# Altium PCB radxa_cm4_io_v1.10.PcbDoc (part 2 of 8)
Units mil, origin at the board's own origin, x right, y up, seen from the top; angles counter-clockwise.
Board outline 6299.62 x 3544.12 mil, 4 copper layers (Top, GND, Power, Bottom), stack 35.4 mil thick; 509 components, 417 nets, 1867 pads, 2150 vias.
Unrouted connection lines stored in the file: 1451.
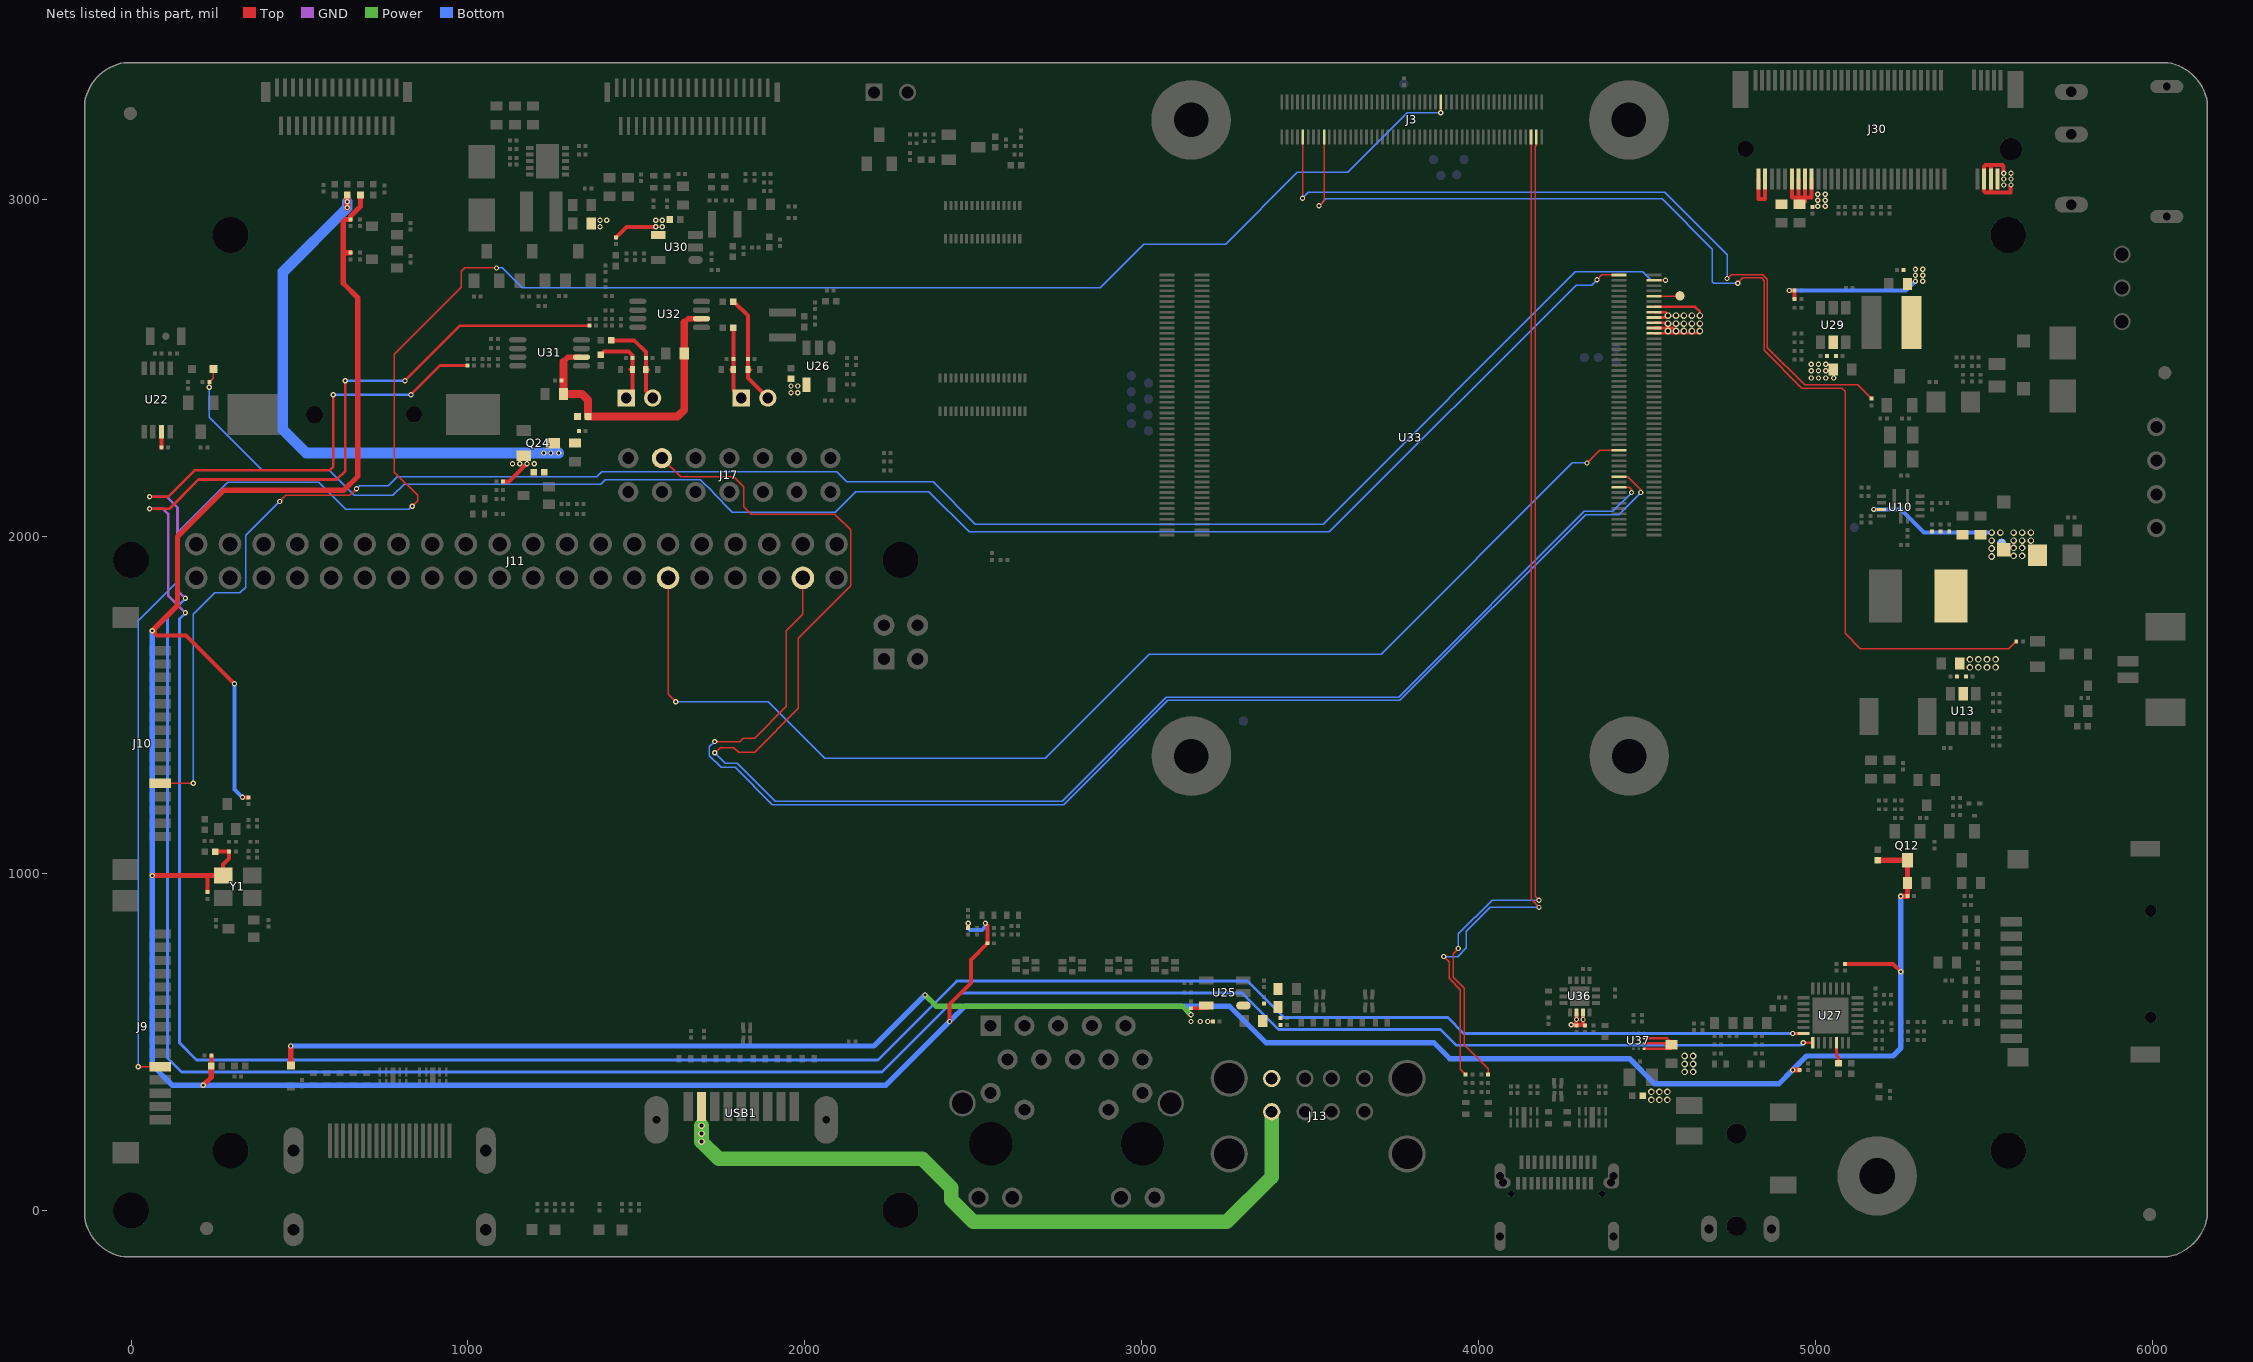
[diagram p4: the nets of this part, all layers, seen from the top]

## Footprints (in the part's own frame and the unit in brackets; to place one, negate y for a bottom-side part, rotate by r counter-clockwise, add the part's x,y. Pads: shape width x height; smd on the part's side, far side on the other; paste and mask are expansions set on the pad) (continued)
ESD_D0402 [mm]
  rect 0.4x0.55 smd: 1(-0.45,0) 2(0.45,0)
  Top region: 0.318,0.178 0.152,0.013 0.324,-0.159 0.324,0.165 0.318,0.165 0.318,0.178
  Top region: 0.368,0.279 0.095,0.006 0.375,-0.273 0.375,0.267 0.368,0.267 0.368,0.279
  Top region: -0.305,-0.165 -0.14,0 -0.311,0.171 -0.311,-0.152 -0.305,-0.152 -0.305,-0.165
  Top region: -0.356,-0.267 -0.083,0.006 -0.362,0.286 -0.362,-0.254 -0.356,-0.254 -0.356,-0.267
  Top lines w0.051: -0.495,-0.178 -0.305,-0.178 ; -0.495,0.191 -0.305,0.191 ; -0.457,-0.14 -0.267,-0.14 ; -0.457,0.152 -0.267,0.152 ; -0.432,0.114 -0.241,0.114 ; -0.419,-0.102 -0.229,-0.102 ; -0.406,0.089 -0.216,0.089 ; -0.394,-0.064 -0.203,-0.064 ; -0.381,0.064 -0.191,0.064 ; -0.356,-0.038 -0.165,-0.038 ; -0.343,0.038 -0.152,0.038 ; -0.33,-0.013 -0.14,-0.013 ; -0.318,0.013 -0.127,0.013 ; 0.14,0 0.33,0 ; 0.152,0.025 0.343,0.025 ; 0.165,-0.025 0.356,-0.025 ; 0.178,0.051 0.368,0.051 ; 0.203,-0.051 0.394,-0.051 ; 0.216,0.076 0.406,0.076 ; 0.229,-0.076 0.419,-0.076 ; 0.241,0.114 0.432,0.114 ; 0.254,-0.102 0.445,-0.102 ; 0.279,-0.14 0.47,-0.14 ; 0.279,0.152 0.47,0.152 ; 0.318,-0.178 0.508,-0.178 ; 0.318,0.191 0.508,0.191
  silkscreen extent -0.82,-0.41 0.85,0.42
FB0201 [mm]
  rect 0.3x0.3 smd: 1(-0.25,0) 2(0.25,0)
  silkscreen extent -0.5,-0.25 0.5,0.25
FB0402 [mm]
  rect 0.5x0.5 smd: 1(-0.4,0) 2(0.4,0)
  silkscreen extent -0.8,-0.4 0.8,0.4
FB0603 [mm]
  rect 0.7x0.9 smd: 1(-0.7,0) 2(0.7,0)
  silkscreen extent -1.2,-0.6 1.2,0.6
FB1206 [mm]
  rect 1.4x1.6 smd mask+0.05: 1(-1.3,0) 2(1.3,0)
  silkscreen extent -2.2,-1 2.2,1
FPC_15_1D0_LIE [mil]
  rect 27.6x63 smd: 1(-551.17,0) 2(-511.77,0) 3(-472.47,0) 4(-433.07,0) 5(-393.7,0) 6(-354.33,0) 7(-314.96,0) 8(-275.59,0) 9(-236.22,0) 10(-196.85,0) 11(-157.48,0) 12(-118.11,0) 13(-78.74,0) 14(-39.37,0) 15(0,0)
  rect 63x78.7 smd: 16(98.43,102.4) 17(-649.57,102.4)
  silkscreen extent -661,-77 114,193
FPC_31P_0D3_LIE [mm]
  rect 0.3x1.372 smd: 1(0,0) 2(0.3,2.875) 3(0.6,0) 4(0.9,2.875) 5(1.2,0) 6(1.5,2.875) 7(1.8,0) 8(2.1,2.875) 9(2.4,0) 10(2.7,2.875) 11(3,0) 12(3.3,2.875) 13(3.6,0) 14(3.9,2.875) 15(4.2,0) 16(4.5,2.875) 17(4.8,0) 18(5.1,2.875) 19(5.4,0) 20(5.7,2.875) 21(6,0) 22(6.3,2.875) 23(6.6,0) 24(6.9,2.875) 25(7.2,0) 26(7.5,2.875) 27(7.8,0) 28(8.1,2.875) 29(8.4,0) 30(8.7,2.875) 31(9,0)
  rect 0.7x1.5 smd: 32(9.84,0.335) 33(-0.84,0.335)
  silkscreen extent -1.07,-1.53 10,3.31
FPC_39P_0D3_LIE [mil]
  rect 54x10 smd: 1(0,0) 2(-113.18,11.81) 3(0,23.62) 4(-113.18,35.43) 5(0,47.24) 6(-113.18,59.06) 7(0,70.87) 8(-113.18,82.68) 9(0,94.49) 10(-113.18,106.3) 11(0,118.11) 12(-113.18,129.92) 13(0,141.73) 14(-113.18,153.54) 15(0,165.35) 16(-113.18,177.17) 17(0,188.98) 18(-113.18,200.79) 19(0,212.6) 20(-113.18,224.41) 21(0,236.22) 22(-113.18,248.03) 23(0,259.84) 24(-113.18,271.65) 25(0,283.46) 26(-113.18,295.28) 27(0,307.09) 28(-113.18,318.9) 29(0,330.71) 30(-113.18,342.52) 31(0,354.33) 32(-113.18,366.14) 33(0,377.95) 34(-113.18,389.76) 35(0,401.57) 36(-113.18,413.39) 37(0,425.2) 38(-113.18,437.01) 39(0,448.82)
  rect 59.06x15.75 smd: 40(-13.18,476.38) 41(-13.18,-27.56)
  silkscreen extent -130,-33 71,483
HOLE_2D7_6D0_A [mm]
  round 6 / inner round 3.2 / far side round 6 hole 2.7: 1(0,0)
HOLE_R6_2D7MM [mm]
  round 2.7 hole 2.7 unplated: 1(0,0)
  Top keep-out region: 3.003,0 2.774,1.149 2.123,2.123 1.149,2.774 0,3.003 0,3.003 -1.149,2.774 -2.123,2.123 -2.774,1.149 -3.003,0 -3.003,0 -2.774,-1.149 -2.123,-2.123 -1.149,-2.774 0,-3.003 0,-3.003 1.149,-2.774 2.123,-2.123 2.774,-1.149 3.003,0
  Bottom keep-out region: 3.003,0 2.774,1.149 2.123,2.123 1.149,2.774 0,3.003 0,3.003 -1.149,2.774 -2.123,2.123 -2.774,1.149 -3.003,0 -3.003,0 -2.774,-1.149 -2.123,-2.123 -1.149,-2.774 0,-3.003 0,-3.003 1.149,-2.774 2.123,-2.123 2.774,-1.149 3.003,0
L_2520 [mm]
  rect 0.6x2 smd: 1(0.947,0.006) 2(-0.953,0.006)
  Top keep-out region: -0.66,1 0.63,1 0.63,-1 -0.66,-1 -0.66,1
  silkscreen extent -1.33,-1.07 1.33,1.08
L_3015 [mil]
  rect 39x118 smd mask+3: 1(-44.85,0) 2(43.43,0)
  silkscreen extent -20,-59 20,59
L_4020 [mm]
  rect 1.5x4 smd mask+0.05: 1(-1.5,0) 2(1.5,0)
  silkscreen extent -2.1,-2.1 2.1,2.1
L_5020 [mm]
  rect 1.4x2.8 smd: 1(-2.2,0) 2(2.2,0)
  silkscreen extent -2.7,-2.55 2.7,2.55
L_6050 [mm]
  rect 2.5x4 smd: 1(-2.56,-0.07) 2(2.39,-0.07)
  silkscreen extent -3.79,-3.35 3.6,3.28
LED_D0603 [mm]
  rect 0.8x0.8 smd: 1(-0.869,0.001) 2(0.869,-0.001)
  silkscreen extent -1.41,-0.65 1.41,0.65
M2-M_KEY_SM_75_0D5 [mm]
  rect 0.3x1.55 smd mask+0.05: 1(-9.25,3.725) 2(-9,-3.725) 3(-8.75,3.725) 4(-8.5,-3.725) 5(-8.25,3.725) 6(-8,-3.725) 7(-7.75,3.725) 8(-7.5,-3.725) 9(-7.25,3.725) 10(-7,-3.725) 11(-6.75,3.725) 12(-6.5,-3.725) 13(-6.25,3.725) 14(-6,-3.725) 15(-5.75,3.725) 16(-5.5,-3.725) 17(-5.25,3.725) 18(-5,-3.725) 19(-4.75,3.725) 20(-4.5,-3.725) 21(-4.25,3.725) 22(-4,-3.725) 23(-3.75,3.725) 24(-3.5,-3.725) 25(-3.25,3.725) 26(-3,-3.725) 27(-2.75,3.725) 28(-2.5,-3.725) 29(-2.25,3.725) 30(-2,-3.725) 31(-1.75,3.725) 32(-1.5,-3.725) 33(-1.25,3.725) 34(-1,-3.725) 35(-0.75,3.725) 36(-0.5,-3.725) 37(-0.25,3.725) 38(0,-3.725) 39(0.25,3.725) 40(0.5,-3.725) 41(0.75,3.725) 42(1,-3.725) 43(1.25,3.725) 44(1.5,-3.725) 45(1.75,3.725) 46(2,-3.725) 47(2.25,3.725) 48(2.5,-3.725) 49(2.75,3.725) 50(3,-3.725) 51(3.25,3.725) 52(3.5,-3.725) 53(3.75,3.725) 54(4,-3.725) 55(4.25,3.725) 56(4.5,-3.725) 57(4.75,3.725) 58(5,-3.725) 67(7.25,3.75) 68(7.5,-3.725) 69(7.75,3.725) 70(8,-3.725) 71(8.25,3.725) 72(8.5,-3.725) 73(8.75,3.725) 74(9,-3.725) 75(9.25,3.725)
  round 1.2 hole 1.2 unplated: 76(-10,-1.475)
  round 1.7 hole 1.7 unplated: 77(10,-1.475)
  rect 1.2x2.8 smd mask+0.05: G1(-10.35,3.025) G2(10.35,3.025)
  silkscreen extent -9.54,-2.7 8.8,4.95
MARK [mm]
  round 1 smd: 1(0,0)
  silkscreen extent -1.65,-1.65 1.65,1.65
MLP14_0D5_2D5 [mm]
  rect 0.6x0.3 smd: 1(-1.21,0.5) 2(-1.21,0) 3(-1.21,-0.5) 8(1.21,-0.5) 9(1.21,0) 10(1.21,0.5)
  rect 0.3x0.6 smd: 4(-0.75,-1.21) 5(-0.25,-1.21) 6(0.25,-1.21) 7(0.75,-1.21) 11(0.75,1.21) 12(0.25,1.21) 13(-0.25,1.21) 14(-0.75,1.21)
  rect 1.45x1.45 smd: 15(0,0)
  silkscreen extent -2.48,-1.25 1.25,1.25
MSOP8_0D65_3 [mil]
  rect 40x16 smd mask+2.5: 1(0,0) 2(0,-25.59) 3(0,-51.18) 4(0,-76.77) 5(188.98,-76.77) 6(188.98,-51.18) 7(188.98,-25.59) 8(188.98,0)
  silkscreen extent -20,-90 209,40
MSOP8_0D65_5D0 [mm]
  oval 1.3x0.41 smd mask+0.05: 1(-2.4,0.975) 2(-2.4,0.325) 3(-2.4,-0.325) 4(-2.4,-0.975) 5(2.4,-0.975) 6(2.4,-0.325) 7(2.4,0.325) 8(2.4,0.975)
  silkscreen extent -2.71,-1.63 1.6,1.92
OSC_SM2_3D2X1D5 [mm]
  rect 0.65x1.3 smd: 1(0,0) 2(2.35,0)
  round 0.55 smd: 3(1.175,0)
  silkscreen extent -0.6,-0.8 2.9,0.8
OSC_SM4_3D2X2D5 [mm]
  rect 1.4x1.2 smd: 1(-1.1,-0.85) 2(1.1,-0.85) 3(1.1,0.85) 4(-1.1,0.85)
  silkscreen extent -1.6,-2.02 1.6,1.26
QFN12_0D5_2 [mm]
  rect 1.5x0.25 smd: 1(-0.55,0.5) 2(-0.55,-0.5) 7(0.55,0)
  rect 0.25x0.7 smd: 3(-0.75,-1.45) 4(-0.25,-1.45) 5(0.25,-1.45) 6(0.75,-1.45) 9(0.75,1.45) 10(0.25,1.45) 11(-0.25,1.45) 12(-0.75,1.45)
  rect 0.7x0.25 smd: 8(0.95,0.5)
  silkscreen extent -1.81,-1.5 1,1.5
QFN28_0D45_4 [mm]
  rect 0.9x0.25 smd mask+0.05: 1(-2.05,1.35) 2(-2.05,0.9) 3(-2.05,0.45) 4(-2.05,0) 5(-2.05,-0.45) 6(-2.05,-0.9) 7(-2.05,-1.35) 15(2.05,-1.35) 16(2.05,-0.9) 17(2.05,-0.45) 18(2.05,0) 19(2.05,0.45) 20(2.05,0.9) 21(2.05,1.35)
  rect 0.25x0.9 smd mask+0.05: 8(-1.35,-2.05) 9(-0.9,-2.05) 10(-0.45,-2.05) 11(0,-2.05) 12(0.45,-2.05) 13(0.9,-2.05) 14(1.35,-2.05) 22(1.35,2.05) 23(0.9,2.05) 24(0.45,2.05) 25(0,2.05) 26(-0.45,2.05) 27(-0.9,2.05) 28(-1.35,2.05)
  rect 2.7x2.7 smd mask+0.05: 29(0,0)
  Top keep-out region: -1.524,1.524 -1.524,-1.524 1.524,-1.524 1.524,1.524 -1.524,1.524
  silkscreen extent -2.97,-2 2,2.03
R0201 [mm]
  rect 0.3x0.3 smd: 1(-0.25,0) 2(0.25,0)
  silkscreen extent -0.5,-0.25 0.5,0.25
R0402 [mm]
  rect 0.5x0.5 smd: 1(-0.4,0) 2(0.4,0)
  silkscreen extent -0.8,-0.4 0.8,0.4
R0603 [mm]
  rect 0.7x0.9 smd: 1(-0.7,0) 2(0.7,0)
  silkscreen extent -1.2,-0.6 1.2,0.6
RJ45_LED_TH22_LIE [mm]
  rect 1.524x1.524 hole 0.9 mask+0.05: 1(0,0)
  round 1.524 / inner round 1.1 / far side round 1.524 hole 0.9 mask+0.05: 2(1.27,-2.54) 3(2.54,0) 4(3.81,-2.54) 5(5.08,0) 6(6.35,-2.54) 7(7.62,0) 8(8.89,-2.54) 9(10.16,0) 10(11.43,-2.54) 11(0,-5.06) 12(2.54,-6.33) 13(8.89,-6.33) 14(11.43,-5.06) 18(12.36,-12.95)
  round 1.524 hole 1.02 mask+0.05: 15(-0.92,-12.95) 16(1.62,-12.95) 17(9.82,-12.95)
  round 2 / inner round 2.2 / far side round 2.2 hole 1.6 mask+0.15: 19(-2.13,-5.84) 20(13.57,-5.84)
  round 3.25 hole 3.25: 21(0.005,-8.89) 22(11.435,-8.89)
  silkscreen extent -2.34,-19.63 13.77,1.72
SD_SM9_1D1_15D75 [mm]
  rect 1.6x0.7 smd: 1(-10.516,3.2) 2(-10.516,2.1) 3(-10.516,1) 4(-10.516,-0.1) 5(-10.516,-1.2) 6(-10.516,-2.3) 7(-10.516,-3.4) 8(-10.516,-4.5) 9(-10.516,-5.6)
  rect 1.6x1.4 smd: 10(-10.016,-7) 13(-10.016,7.9)
  rect 2.2x1.2 smd: 11(-0.416,-6.8) 12(-0.416,8.7)
  round 0.9 hole 0.9 unplated: 14(0,4) 15(0,-4)
  silkscreen extent -10.52,-6.4 3.98,8.3
SOD_123 [mm]
  rect 1x1 smd: 1(-1.8,0) 2(1.8,0)
  silkscreen extent -1.11,-0.9 1.13,0.9
SOD_323 [mm]
  rect 0.8x0.6 smd mask+0.05: 1(-1.2,0) 2(1.2,0)
  silkscreen extent -0.67,-0.65 0.64,0.65
SOD_523 [mm]
  rect 0.6x0.6 smd mask+0.05: 1(0,0.8) 2(0,-0.8)
  silkscreen extent -0.4,-0.6 0.4,0.6
SON10_0D5_1 [mm]
  rect 0.2x0.675 smd: 1(-1,-0.437) 2(-0.5,-0.437) 4(0.5,-0.437) 5(1,-0.437) 6(1,0.437) 7(0.5,0.437) 9(-0.5,0.437) 10(-1,0.437)
  rect 0.4x0.775 smd: 3(0,-0.388) 8(0,0.388)
  silkscreen extent -1.46,-1.39 1.25,0.5
SOT23_5 [mm]
  oval 0.6x1.1 smd: 1(-0.95,-1.4)
  rect 0.6x1.1 smd: 2(0,-1.4) 3(0.95,-1.4) 4(0.95,1.4) 5(-0.95,1.4)
  silkscreen extent -2,-1.45 1.5,0.55
SOT23_6 [mm]
  rect 0.7x1 smd mask+0.05: 1(-0.95,-1.3) 2(0,-1.3) 3(0.95,-1.3) 4(0.95,1.3) 5(0,1.3) 6(-0.95,1.3)
  silkscreen extent -1.75,-2.42 1.75,0.7
SOT_23 [mm]
  rect 0.8x1.1 smd: 1(-0.95,-1.1) 2(0.95,-1.1) 3(0,1.1)
  silkscreen extent -1.6,-0.9 1.6,0.9
SOT_323 [mm]
  rect 0.7x0.9 smd: 1(-0.65,-0.95) 2(0.65,-0.95) 3(0,0.95)
  silkscreen extent -1.1,-0.67 1.1,0.67
SOT_723 [mm]
  rect 0.4x0.3 smd: 1(0,0) 2(0.805,0) 3(0.403,0.94)
  silkscreen extent -0.22,-0.17 1.02,1.12
TP_0R70 [mm]
  round 0.7 smd: 1(0,0)
  silkscreen extent -0.45,-0.45 0.45,0.45
TYPEC_SM24P_0D5 [mm]
  rect 0.3x1 smd: A1(1.61,5.59) A2(2.11,5.59) A3(2.61,5.59) A4(3.11,5.59) A5(3.61,5.59) A6(4.11,5.59) A7(4.61,5.59) A8(5.11,5.59) A9(5.61,5.59) A10(6.11,5.59) A11(6.61,5.59) A12(7.11,5.59)
  rect 0.3x0.95 smd: B1(6.86,3.99) B2(6.36,3.99) B3(5.86,3.99) B4(5.36,3.99) B5(4.86,3.99) B6(4.36,3.99) B7(3.86,3.99) B8(3.36,3.99) B9(2.86,3.99) B10(2.36,3.99) B11(1.86,3.99) B12(1.36,3.99)
  oval 0.85x1.9 / inner oval 0.85x1.8 / far side oval 1x2.1 hole 0.6 slot 1.5 at 90 deg: E1(0,4.55) E6(8.56,4.55)
  oval 1.2x0.85 / inner oval 1.2x0.85 / far side oval 1.2x0.9 hole 0.6 slot 1 at 0 deg: E2(0.21,4.04) E5(8.38,4.04)
  oval 0.85x2.2 / inner oval 0.85x2.2 / far side oval 1x2.2 hole 0.6 slot 1.9 at 90 deg: E3(0,0)
  oval 0.85x2.2 / inner oval 0.85x2.2 / far side oval 1x2.25 hole 0.6 slot 1.9 at 90 deg: E4(8.56,0)
  round 0.5 hole 0.5: H1(0.85,3.2) H2(7.71,3.2)
  silkscreen extent -0.24,-2.35 8.87,5.55
USB_SM9_2D0_LIE [mm]
  rect 0.7x2.2 smd: 1(-3,0) 2(-1,0) 3(1,0) 4(3,0) 5(4,0) 6(2,0) 7(0,0) 8(-2,0) 9(-4,0)
  oval 1.8x3.6 / inner oval 0.7x2.6 / far side oval 1.8x3.6 hole 0.584 slot 2.489 at 90 deg: 10(-6.4,-1) 11(6.4,-1)
  silkscreen extent -9.28,-14.64 9.29,0.92
WLCSP12_0D4_1D5 [mm]
  round 0.215 smd mask+0.05: A1(0,0) A2(0.4,0) A3(0.8,0) B1(0,-0.4) B2(0.4,-0.4) B3(0.8,-0.4) C1(0,-0.8) C2(0.4,-0.8) C3(0.8,-0.8) D1(0,-1.2) D2(0.4,-1.2) D3(0.8,-1.2)
  silkscreen extent -0.66,-1.53 1.12,0.61

## Via types
v1: diameter 15.75, hole 7.87, Top to Bottom, 2047 vias
v2: diameter 19.68, hole 11.81, Top to Bottom, 103 vias

## Nets (pads, with @x,y where several pads share a name; then routed paths per layer and width w, separated by ;. In a path a pad name is that pad's centre, name@x,y a point inside that pad or via, vN(x,y) a via of type N, cw(c..) or ccw(c..) an arc to the next point about the centre after c; other vN are vias at no path point)
3V3_PCIE: C217.1 C218.1 C219.1 C223.1 C224.1 C225.1 J30.2 J30.4 J30.12 J30.14 J30.16 J30.18 J30.70 J30.72 J30.74 L21.2 R285.1 | length 1224.6
  Top w11.81: J30.2@4829.92,3061.22 4829.92,3001.97 4849.61,3001.97 J30.4@4849.61,3061.22 ; v1(4921.26,2730.32) R285.1@4937.01,2730.32 C217.1@4937.01,2704.72 ; J30.12@4928.35,3061.22 4928.35,3005.91 4987.4,3005.91 J30.18@4987.4,3061.22 ; J30.14@4948.03,3061.22 4948.03,2994.09 4967.72,2994.09 J30.16@4967.72,3061.22 ; v1(5557.09,3078.74) 5557.09,3098.43 5553.15,3102.36 5518.9,3102.36 ; v1(5578.74,3043.31) 5576.77,3041.34 5576.77,3021.65 5518.9,3021.65 ; 5518.9,3021.65 5503.15,3021.65 5499.21,3025.59 J30.70@5499.21,3061.22 5499.21,3098.43 5503.15,3102.36 5518.9,3102.36 ; 5518.9,3021.65 J30.72@5518.9,3061.22 5518.9,3102.36
  Bottom w11.81: v1(4921.26,2730.32) 5267.72,2730.32 v1(5295.28,2757.87)
  other v1: 5316.93,2757.87 5295.28,2775.59 5316.93,2775.59 5295.28,2793.31 5316.93,2793.31 5005.91,2980.32 5027.56,2980.32 5005.91,2998.03 5027.56,2998.03 5005.91,3015.75 5027.56,3015.75 5557.09,3043.31 5557.09,3061.02 5578.74,3061.02 5578.74,3078.74
3V3_S0: C157.1 C158.1 C194.1 FB1.2 FB3.2 FB4.2 FB14.1 FB15.1 Q12.3 R8.2 R11.2 R164.1 R211.2 R238.1 R248.2 R264.2 R270.2 Y1.4 | length 11029.8
  Top w3.94: 226.38,994.09 228.35,994.09
  Top w11.81: v1(62.99,1720.47) 70.87,1712.6 ; 70.87,1728.35 70.87,1712.6 ; R264.2@226.38,944.88 226.38,994.09 ; FB1.2@238.19,429.13 R211.2@238.19,460.63 ; FB3.2@250,1064.96 C194.1@291.34,1064.96 291.34,1045.27 273.62,1027.56 Y1.4@273.62,994.09 ; v1(307.09,1562.99) 163.39,1706.69 76.77,1706.69 70.87,1712.6 ; v1(330.71,1226.38) R270.2@348.43,1226.38 ; v1(2429.13,561.02) 2429.13,612.2 2492.13,675.2 2492.13,744.09 R238.1@2541.34,793.31 2541.34,846.46 v1(2535.43,852.36) ; R248.2@2484.25,838.58 v1(2484.25,852.36) ; FB14.1@5086.61,732.28 5228.35,732.28 v1(5251.97,708.66)
  Top w15.75: v1(62.99,994.09) 226.38,994.09 ; v1(62.99,1720.47) 70.87,1728.35 137.8,1795.28 137.8,2000 275.59,2137.8 631.89,2137.8 673.23,2179.13 673.23,2708.66 629.92,2751.97 629.92,2850.39 ; v1(214.57,372.05) 238.19,395.67 FB1.2@238.19,429.13 ; 228.35,994.09 Y1.4@273.62,994.09 ; R8.2@651.57,2842.52 637.8,2842.52 629.92,2850.39 ; FB4.2@681.1,3013.78 681.1,2980.32 651.57,2950.79 R11.2@651.57,2940.94 635.83,2940.94 629.92,2935.04 629.92,2850.39 ; v1(4931.1,417.32) FB15.1@4950.79,417.32 ; R164.1@5183.07,1039.37 Q12.3@5271.65,1039.37 C157.1@5271.65,972.44 C158.1@5271.65,933.07 v1(5251.97,933.07)
  Bottom w11.81: v1(307.09,1562.99) 307.09,1250 v1(330.71,1226.38) ; v1(2484.25,852.36) 2484.25,838.58 2490.16,832.68 2525.59,832.68 2535.43,842.52 v1(2535.43,852.36)
  Bottom w15.75: v1(62.99,1720.47) v1(62.99,994.09) 62.99,431.1 122.05,372.05 v1(214.57,372.05) 2240.16,372.05 v1(2429.13,561.02) 2474.41,606.3 3259.84,606.3 3368.11,498.03 3866.14,498.03 3913.39,450.79 4446.85,450.79 4521.65,375.98 4889.76,375.98 v1(4931.1,417.32) 4972.44,458.66 5228.35,458.66 5251.97,482.28 v1(5251.97,708.66) v1(5251.97,933.07)
5V_S0: C297.1 C298.1 FB5.2 FB22.1 Q24.3 R342.1 | length 1641.1
  Top w19.68: v1(641.73,2976.38) FB5.2@641.73,3013.78
  Bottom w31.5: v1(641.73,2994.09) v1(641.73,2976.38) 450.79,2785.43 450.79,2316.93 519.69,2248.03 v1(1269.68,2248.03)
  other v1: 1224.41,2248.03 1246.06,2248.03
5V_SPK_AMP: C282.1 C285.1 C292.1 FB22.2 U31.6 U32.6 | length 898.1
  Top w3.94: C282.1@1277.56,2462.6 1283.46,2462.6
  Top w15.75: 1283.46,2518.7 1297.24,2532.48 U31.6@1336.61,2532.48 ; 1641.73,2634.84 1653.54,2646.65 U32.6@1692.91,2646.65
  Top w23.62: 1283.46,2518.7 1283.46,2462.6 C285.1@1283.46,2423.23 1338.58,2423.23 1356.3,2405.51 FB22.2@1356.3,2356.3 1622.05,2356.3 1641.73,2375.98 C292.1@1641.73,2543.31 1641.73,2634.84
5V_USB_HOST: C198.1 C199.1 C213.1 C214.1 C215.1 C216.1 J13.1 J13.5 U25.1 USB1.1 | length 2164.3
  Top w3.94: USB1.1@1692.91,271.65 USB1.1@1692.91,328.35
  Power w43.31: v2(1692.91,251.97) v2(1692.91,228.35) v2(1692.91,204.72) 1744.09,153.54 2348.43,153.54 2434.06,67.91 2434.06,32.48 2500,-33.46 3251.97,-33.46 3385.04,99.61 J13.1@3385.04,293.31
32KOUT_RTC: R263.2 U22.7 | length 47.2
  Top w11.81: R263.2@90.55,2263.78 U22.7@90.55,2311.02
+5V_INPUT: C90.1 C106.1 C107.1 C144.1 C146.1 C153.1 C154.1 C196.1 C202.1 C211.1 C212.1 C241.1 C255.1 C270.1 C271.1 D1.2 D8.1 FB2.1 L2.2 Q24.2 R18.1 R185.1 R255.1 R277.1 R278.2 R342.2 R344.2 R352.1 TP7.1 U10.5 U13.5 U25.5 U26.4 U29.5 U30.4 U33.77 U33.79 U33.81 U33.83 U33.85 U33.87 U36.12 U36.13 U37.A1 U37.B1 U37.C1 | length 4384
  Top w7.87: U37.A1@4490.16,480.32 C255.1@4570.87,480.32 ; U37.B1@4490.16,496.06 4551.18,496.06 4564.96,482.28 4564.96,480.32 C255.1@4570.87,480.32 ; U37.C1@4490.16,511.81 4557.09,511.81 4570.87,498.03 C255.1@4570.87,492.13 C255.1@4570.87,480.32 ; U33.77@4520.08,2603.15 4648.43,2603.15 v2(4655.51,2610.24) ; U33.79@4520.08,2618.9 4575.98,2618.9 v2(4584.65,2610.24) ; U33.81@4520.08,2634.65 4558.27,2634.65 v2(4561.02,2631.89) ; U33.83@4520.08,2650.39 4553.15,2650.39 4558.27,2655.51 v2(4561.02,2655.51) 4561.02,2658.27 4553.15,2666.14 U33.85@4520.08,2666.14 ; U33.87@4520.08,2681.89 4641.73,2681.89 4655.51,2668.11 v2(4655.51,2655.51)
  Top w9.84: v1(5171.26,2080.71) U10.5@5194.88,2080.71
  Top w11.81: R344.2@1104.33,2163.39 1122.05,2163.39 v1(1175.2,2216.54) ; R255.1@1438.98,2887.8 1470.47,2919.29 v1(1557.09,2919.29) ; R277.1@3145.67,600.39 U25.5@3190.95,600.39 ; v1(4273.62,551.18) C270.1@4312.99,551.18 ; C271.1@4289.37,549.21 U36.12@4289.37,588.19 ; U36.13@4309.06,588.19 v1(4309.06,566.93) 4309.06,555.12 ; 4309.06,555.12 C270.1@4314.96,549.21 C270.1@4312.99,551.18 ; 4309.06,555.12 4313.98,550.2 C270.1@4312.99,551.18
  Top w15.75: D8.1@474.41,431.1 v1(474.41,488.19)
  Power w15.75: v1(2356.3,639.76) 2389.76,606.3 3120.08,606.3 v1(3145.67,580.71)
  Bottom w11.81: v1(5171.26,2080.71) 5251.97,2080.71 5320.87,2011.81 v2(5521.65,2011.81)
  Bottom w15.75: v1(474.41,488.19) 2204.72,488.19 v1(2356.3,639.76)
  other v1: 3145.67,561.02 3173.23,561.02 3194.88,561.02 4289.37,566.93 1131.89,2216.54 1153.54,2216.54 1196.85,2216.54 1958.66,2427.17 1978.35,2427.17 1958.66,2446.85 1978.35,2446.85 4986.22,2470.47 5007.87,2470.47 5029.53,2470.47 5053.15,2470.47 4986.22,2492.13 5007.87,2492.13 5029.53,2492.13 4986.22,2511.81 5007.87,2511.81 5029.53,2511.81 1391.73,2919.29 1576.77,2919.29 1391.73,2938.98 1411.42,2938.98 1557.09,2938.98 1576.77,2938.98
  other v2: 4511.81,328.74 4535.43,328.74 4559.06,328.74 4511.81,352.36 4535.43,352.36 4559.06,352.36 4610.24,411.42 4635.83,411.42 4610.24,435.04 4635.83,435.04 4610.24,458.66 4635.83,458.66 5456.69,1612.2 5482.28,1612.2 5507.87,1612.2 5533.46,1612.2 5456.69,1635.83 5482.28,1635.83 5507.87,1635.83 5533.46,1635.83 5521.65,1940.94 5586.61,1942.91 5612.2,1942.91 5521.65,1964.57 5586.61,1966.54 5612.2,1966.54 5521.65,1988.19 5586.61,1988.19 5612.2,1988.19 5637.8,1988.19 5547.24,2011.81 5586.61,2011.81 5612.2,2011.81 5637.8,2011.81 4561.02,2610.24 4608.27,2610.24 4631.89,2610.24 4584.65,2631.89 4608.27,2631.89 4631.89,2631.89 4655.51,2631.89 4584.65,2655.51 4608.27,2655.51 4631.89,2655.51
ADCVREF_ES8388: C273.1 U27.19 | length 63.5
  Top w7.87: U27.19@5061.03,498.03 5061.03,460.63 5066.93,454.72 C273.1@5066.93,437.01
AUD_LINEOUT_L: C289.1 U27.15 | length 8054
  Top w7.87: v1(55.12,2118.11) 110.24,2118.11 188.98,2196.85 588.58,2196.85 600.39,2208.66 v1(600.39,2421.26) ; v1(830.71,2421.26) 917.32,2507.87 C289.1@998.03,2507.87 ; v1(4962.6,498.03) U27.15@4990.16,498.03
  GND w7.87: v1(55.12,2118.11) 106.3,2118.11 137.8,2086.61 137.8,1840.55 v1(161.42,1816.93)
  Bottom w7.87: v1(161.42,1816.93) 108.27,1763.78 108.27,452.76 149.61,411.42 2228.35,411.42 2462.6,645.67 3297.24,645.67 3405.51,537.4 3885.83,537.4 3933.07,490.16 4954.72,490.16 v1(4962.6,498.03) ; v1(600.39,2421.26) v1(830.71,2421.26)
AUD_LINEOUT_R: C296.1 U27.14 | length 8347.6
  Top w7.87: v1(55.12,2082.68) 114.17,2082.68 200.79,2169.29 610.24,2169.29 635.83,2194.88 v1(635.83,2462.6) ; v1(812.99,2462.6) 976.38,2625.98 C296.1@1360.24,2625.98 ; v1(4931.1,525.59) U27.14@4962.6,525.59
  GND w7.87: v1(55.12,2082.68) 94.49,2082.68 110.24,2066.93 110.24,1824.8 v1(161.42,1773.62)
  Bottom w7.87: v1(161.42,1773.62) 143.7,1755.91 143.7,498.03 194.88,446.85 2216.54,446.85 2450.79,681.1 3312.99,681.1 3421.26,572.83 3907.63,572.83 3954.87,525.59 v1(4931.1,525.59) ; v1(635.83,2462.6) v1(812.99,2462.6)
AUD_SPK1N: C288.1 D34.2 FB23.2 J18.2 | length 261.3
  Top w11.81: FB23.2@1425.2,2582.68 1492.13,2582.68 1527.56,2547.24 C288.1@1527.56,2529.53 D34.2@1527.56,2496.06 1527.56,2431.89 J18.2@1548.03,2411.42
AUD_SPK1P: C287.1 D33.2 FB24.2 J18.1 | length 237.3
  Top w11.81: FB24.2@1393.7,2539.37 1403.54,2549.21 1476.38,2549.21 1488.19,2537.4 C287.1@1488.19,2529.53 D33.2@1488.19,2496.06 1488.19,2430.32 J18.1@1469.29,2411.42
AUD_SPK2N: C295.1 D52.2 FB25.2 J19.2 | length 329
  Top w11.81: FB25.2@1787.4,2696.85 1789.37,2696.85 1830.71,2655.51 C295.1@1830.71,2527.56 D52.2@1830.71,2496.06 1830.71,2470.47 J19.2@1889.76,2411.42
AUD_SPK2P: C294.1 D45.2 FB26.2 J19.1 | length 218.4
  Top w11.81: FB26.2@1787.4,2620.08 C294.1@1787.4,2527.56 D45.2@1787.4,2496.06 1787.4,2435.04 J19.1@1811.02,2411.42
BT_NDIS: P28.1 U33.91 | length 76.9
  Top w3.94: U33.91@4520.08,2713.39 4595.28,2713.39 P28.1@4596.46,2714.57
CAM1_GPIO: J10.5 U33.97 | length 5652.2
  Top w3.94: J10.5@86.61,1267.72 v1(185.04,1267.72) ; v1(440.94,2104.33) 458.66,2122.05 649.61,2122.05 v1(669.29,2141.73) ; U33.97@4520.08,2760.63 v1(4553.54,2760.63)
  Bottom w3.94: v1(185.04,1267.72) 185.04,1769.69 248.03,1832.68 322.89,1832.68 340.55,1850.33 340.55,2003.94 v1(440.94,2104.33) ; v1(669.29,2141.73) 679.13,2151.57 763.78,2151.57 789.37,2177.17 1381.89,2177.17 1397.64,2192.91 2094.49,2192.91 2124.02,2163.39 2379.92,2163.39 2505.91,2037.4 3537.4,2037.4 4285.43,2785.43 4486.22,2785.43 4511.02,2760.63 v1(4553.54,2760.63)
CAM_GPIO: J3.39 J9.5 | length 6490.5
  Top w3.94: v1(21.65,427.17) J9.5@86.61,427.17 ; v1(834.65,2090.55) 850.39,2106.3 850.39,2122.05 781.5,2190.94 781.5,2541.34 980.31,2740.16 980.31,2787.4 990.16,2797.24 v1(1084.65,2797.24) ; v1(3887.01,3258.27) 3887.01,3275.1 J3.39@3887.01,3289.77
  Bottom w3.94: v1(21.65,427.17) 21.65,1750 141.73,1870.08 141.73,2015.75 287.4,2161.42 557.09,2161.42 637.8,2080.71 824.8,2080.71 v1(834.65,2090.55) ; v1(1084.65,2797.24) 1102.36,2797.24 1161.42,2738.19 2875.98,2738.19 3005.91,2868.11 3248.03,2868.11 3460.63,3080.71 3610.24,3080.71 3787.8,3258.27 v1(3887.01,3258.27)
CAN1_RX_M3: J11.37 U33.24 | length 4002.9
  Top w3.94: v1(1732.28,1391.73) 1807.09,1391.73 1816.93,1401.57 1850.39,1401.57 1944.88,1496.06 1944.88,1720.87 1993.7,1769.69 J11.37@1993.7,1877.56 ; U33.24@4415.35,2177.95 4442.13,2177.95 4480.32,2139.76 v1(4480.32,2130.71)
  Bottom w3.94: v1(1732.28,1391.73) 1716.54,1375.98 1716.54,1350.39 1751.97,1314.96 1793.31,1314.96 1903.54,1204.72 2767.72,1204.72 3076.77,1513.78 3765.75,1513.78 4316.93,2064.96 4414.57,2064.96 v1(4480.32,2130.71)
CAN1_TX_M3: J11.29 U33.34 | length 3624.2
  Top w3.94: J11.29@1593.7,1877.56 1593.7,1532.28 v1(1616.14,1509.84) ; v1(4320.87,2218.5) 4359.06,2256.69 U33.34@4415.35,2256.69
  Bottom w3.94: v1(1616.14,1509.84) 1891.73,1509.84 2059.06,1342.52 2712.6,1342.52 3021.65,1651.57 3710.63,1651.57 4277.56,2218.5 v1(4320.87,2218.5)
CM4_PWR_TEST: J3.92 R2.1 | length 2302.4
  Top w3.94: v1(3476.38,3003.94) 3477.56,3005.12 3477.56,3179.5 J3.92@3477.56,3185.83 ; v1(4736.22,2765.75) 4748.03,2777.56 4842.52,2777.56 4856.3,2763.78 4856.3,2561.02 4966.54,2450.79 5124.02,2450.79 R2.1@5165.35,2409.45
  Bottom w3.94: v1(3476.38,3003.94) 3494.09,3021.65 4551.18,3021.65 4736.22,2836.61 v1(4736.22,2765.75)
DP_TX_AUXN_SBU2: C250.1 J3.6 | length 3045.2
  Top w3.94: v1(3895.67,753.94) 3911.42,738.19 3911.42,688.98 3944.88,655.51 3944.88,419.29 C250.1@3960.63,403.54 ; J3.6@4154.72,3168.6 4154.72,923.23 v1(4178.35,899.61) ; J3.6@4154.73,3168.6 J3.6@4154.73,3185.83
  Bottom w3.94: v1(3895.67,753.94) 3937.01,753.94 3962.6,779.53 3962.6,828.74 4033.46,899.61 v1(4178.35,899.61)
DP_TX_AUXP_SBU1: C249.1 J3.4 | length 3018.5
  Top w3.94: v1(3938.98,777.56) 3923.23,761.81 3923.23,692.91 3956.69,659.45 3956.69,492.13 4027.56,421.26 C249.1@4027.56,403.54 ; J3.4@4170.47,3171.4 4170.47,3161.42 4167.32,3158.27 4167.32,932.28 v1(4178.35,921.26) ; J3.4@4170.48,3171.4 J3.4@4170.48,3185.83
  Bottom w3.94: v1(3938.98,777.56) 3938.98,820.87 4039.37,921.26 v1(4178.35,921.26)
EEPROM_NWP: J17.4 U33.20 | length 4799.8
  Top w3.94: J17.4@1575.59,2232.68 1631.1,2177.17 1789.37,2177.17 1818.9,2147.64 1818.9,2088.58 1840.55,2066.93 2088.58,2066.93 2135.83,2019.69 2135.83,1854.33 1980.32,1698.82 1980.32,1490.16 1850.39,1360.24 1803.15,1360.24 1789.37,1374.02 1748.03,1374.02 v1(1732.28,1358.27) ; U33.20@4415.35,2146.46 4446.06,2146.46 4452.76,2139.76 v1(4452.76,2130.71)
  Bottom w3.94: v1(1732.28,1358.27) 1763.78,1326.77 1799.21,1326.77 1911.42,1214.57 2763.78,1214.57 3072.83,1523.62 3761.81,1523.62 4312.99,2074.8 4396.85,2074.8 v1(4452.76,2130.71)
EXT_RST: D30.1 R265.1 U33.100 | length 4879.1
  Top w3.94: v1(232.28,2442.91) R265.1@232.28,2458.66 244.09,2470.47 D30.1@244.09,2498.03 ; v1(4350.39,2761.81) 4364.96,2776.38 U33.100@4415.35,2776.38
  Bottom w3.94: v1(232.28,2442.91) 232.28,2354.53 387.99,2198.82 586.07,2198.82 662.84,2122.05 777.09,2122.05 810.56,2155.51 1393.94,2155.51 1407.72,2169.29 1689.75,2169.29 1726.38,2132.67 1726.38,2131.11 1784.65,2072.83 2090.09,2072.83 2151.11,2133.86 2367.13,2133.86 2487.2,2013.78 3555.95,2013.78 4288.23,2746.06 4334.65,2746.06 v1(4350.39,2761.81)
FAN-PWM: J3.84 R14.1 | length 3460.1
  Top w3.94: v1(3525.59,2982.28) 3540.55,2997.24 3540.55,3181.5 J3.84@3540.56,3185.83 ; v1(4767.72,2751.97) 4783.46,2767.72 4838.58,2767.72 4846.46,2759.84 4846.46,2553.15 4958.66,2440.94 5076.77,2440.94 5086.61,2431.1 5086.61,1712.6 5131.89,1667.32 5572.83,1667.32 R14.1@5594.49,1688.98
  Bottom w3.94: v1(3525.59,2982.28) 3545.28,3001.97 4543.31,3001.97 4692.91,2852.36 4692.91,2755.91 4696.85,2751.97 v1(4767.72,2751.97)